# Altium PCB AN_IF_Converter_V1.0.PcbDoc (part 1 of 2)
Units mm, origin at the board's own origin, x right, y up, seen from the top; angles counter-clockwise.
Board outline 67.8 x 86.9 mm, 4 copper layers (Top Layer, Ground Plane, Power Plane, Bottom Layer), stack 1.466 mm thick; 149 components, 113 nets, 471 pads, 353 vias.
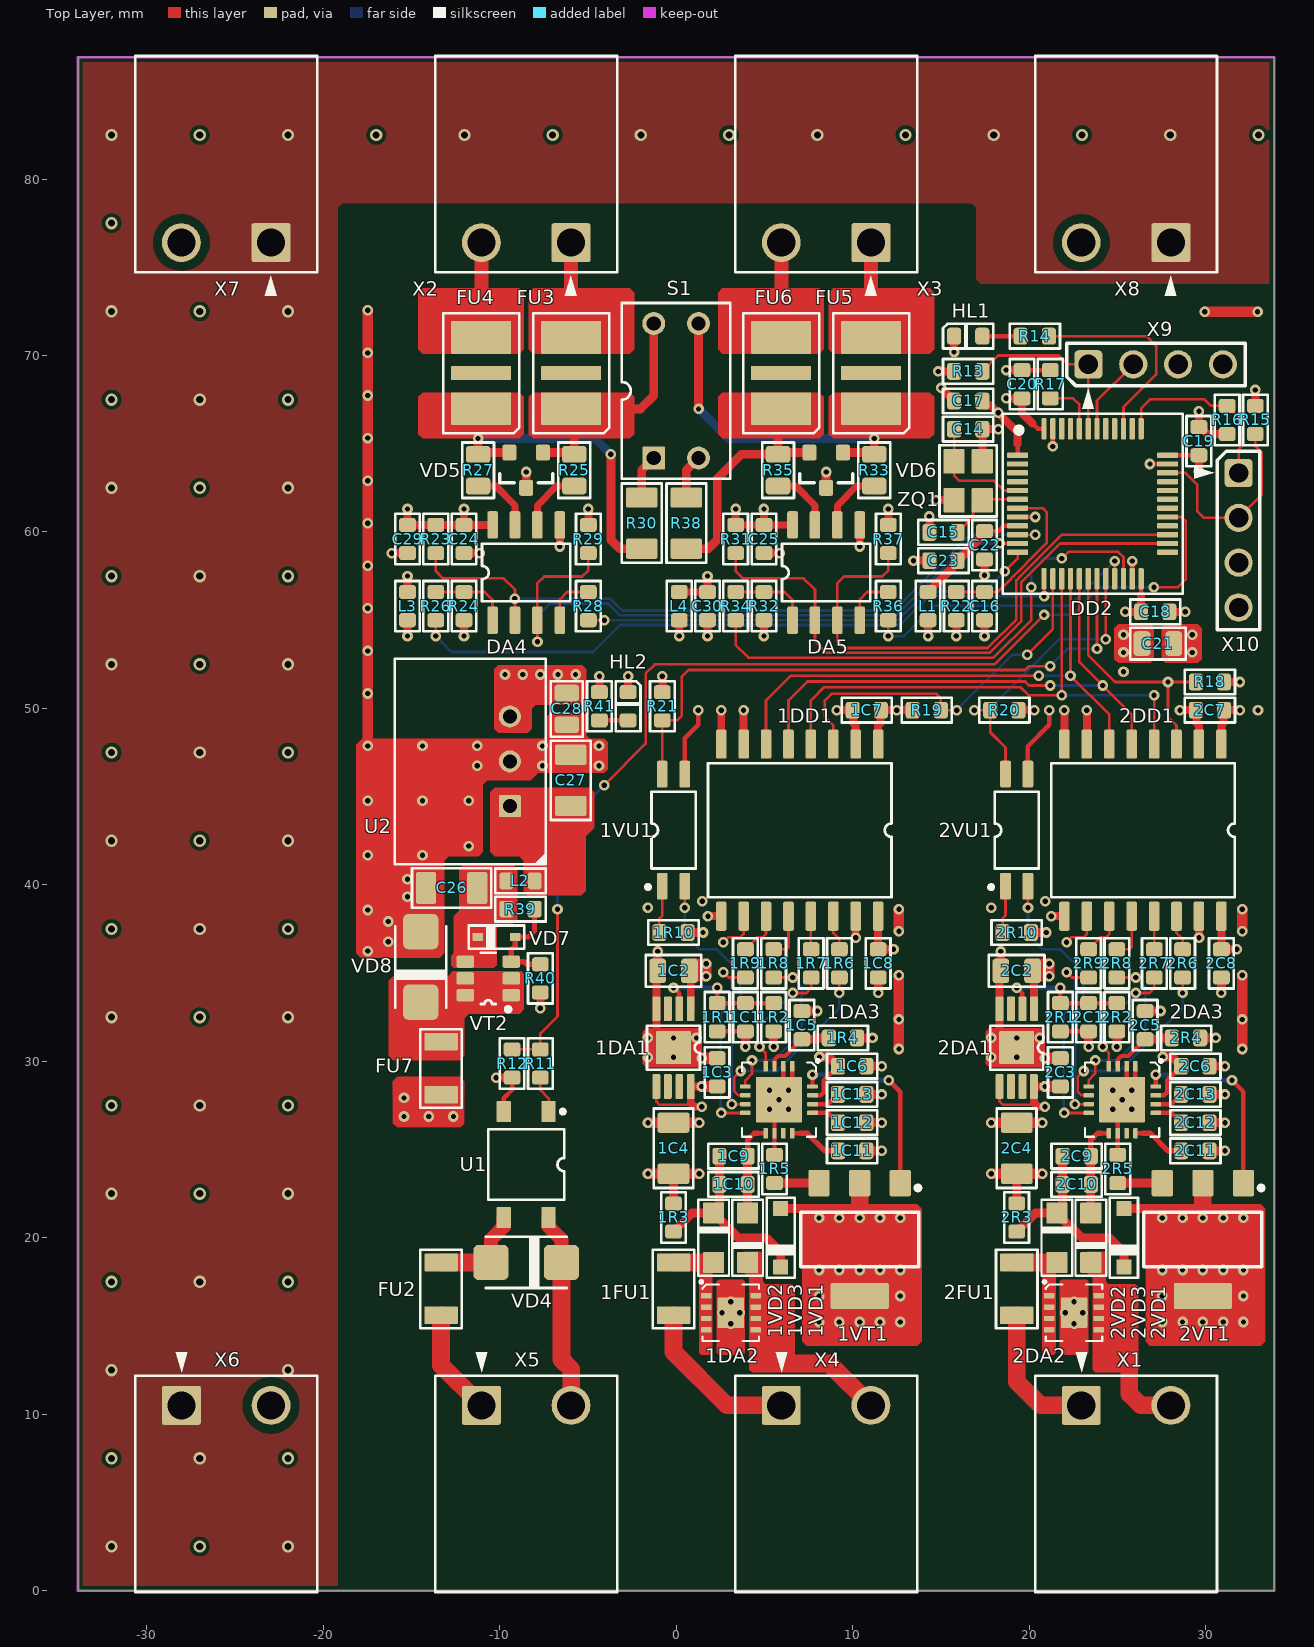
[diagram p0: Top Layer view]
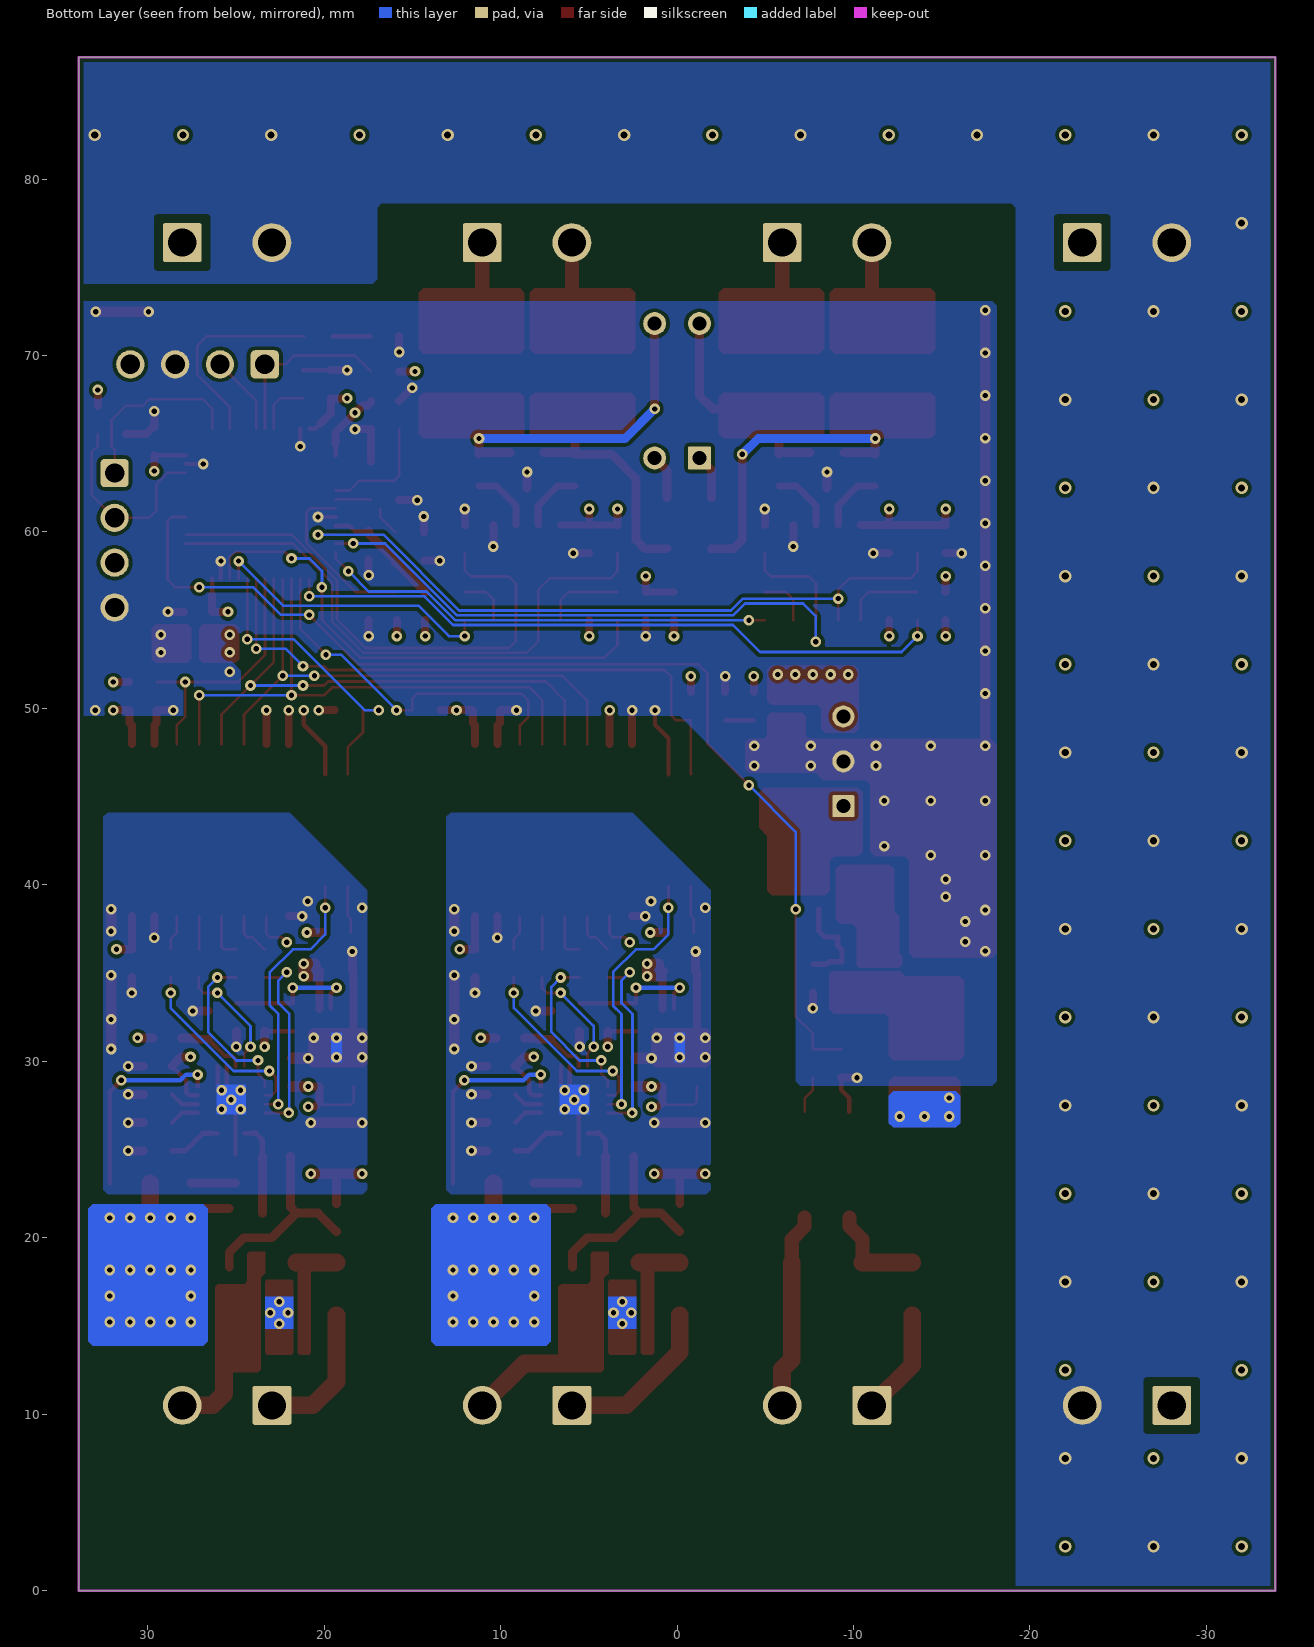
[diagram p1: Bottom Layer view, seen from below]
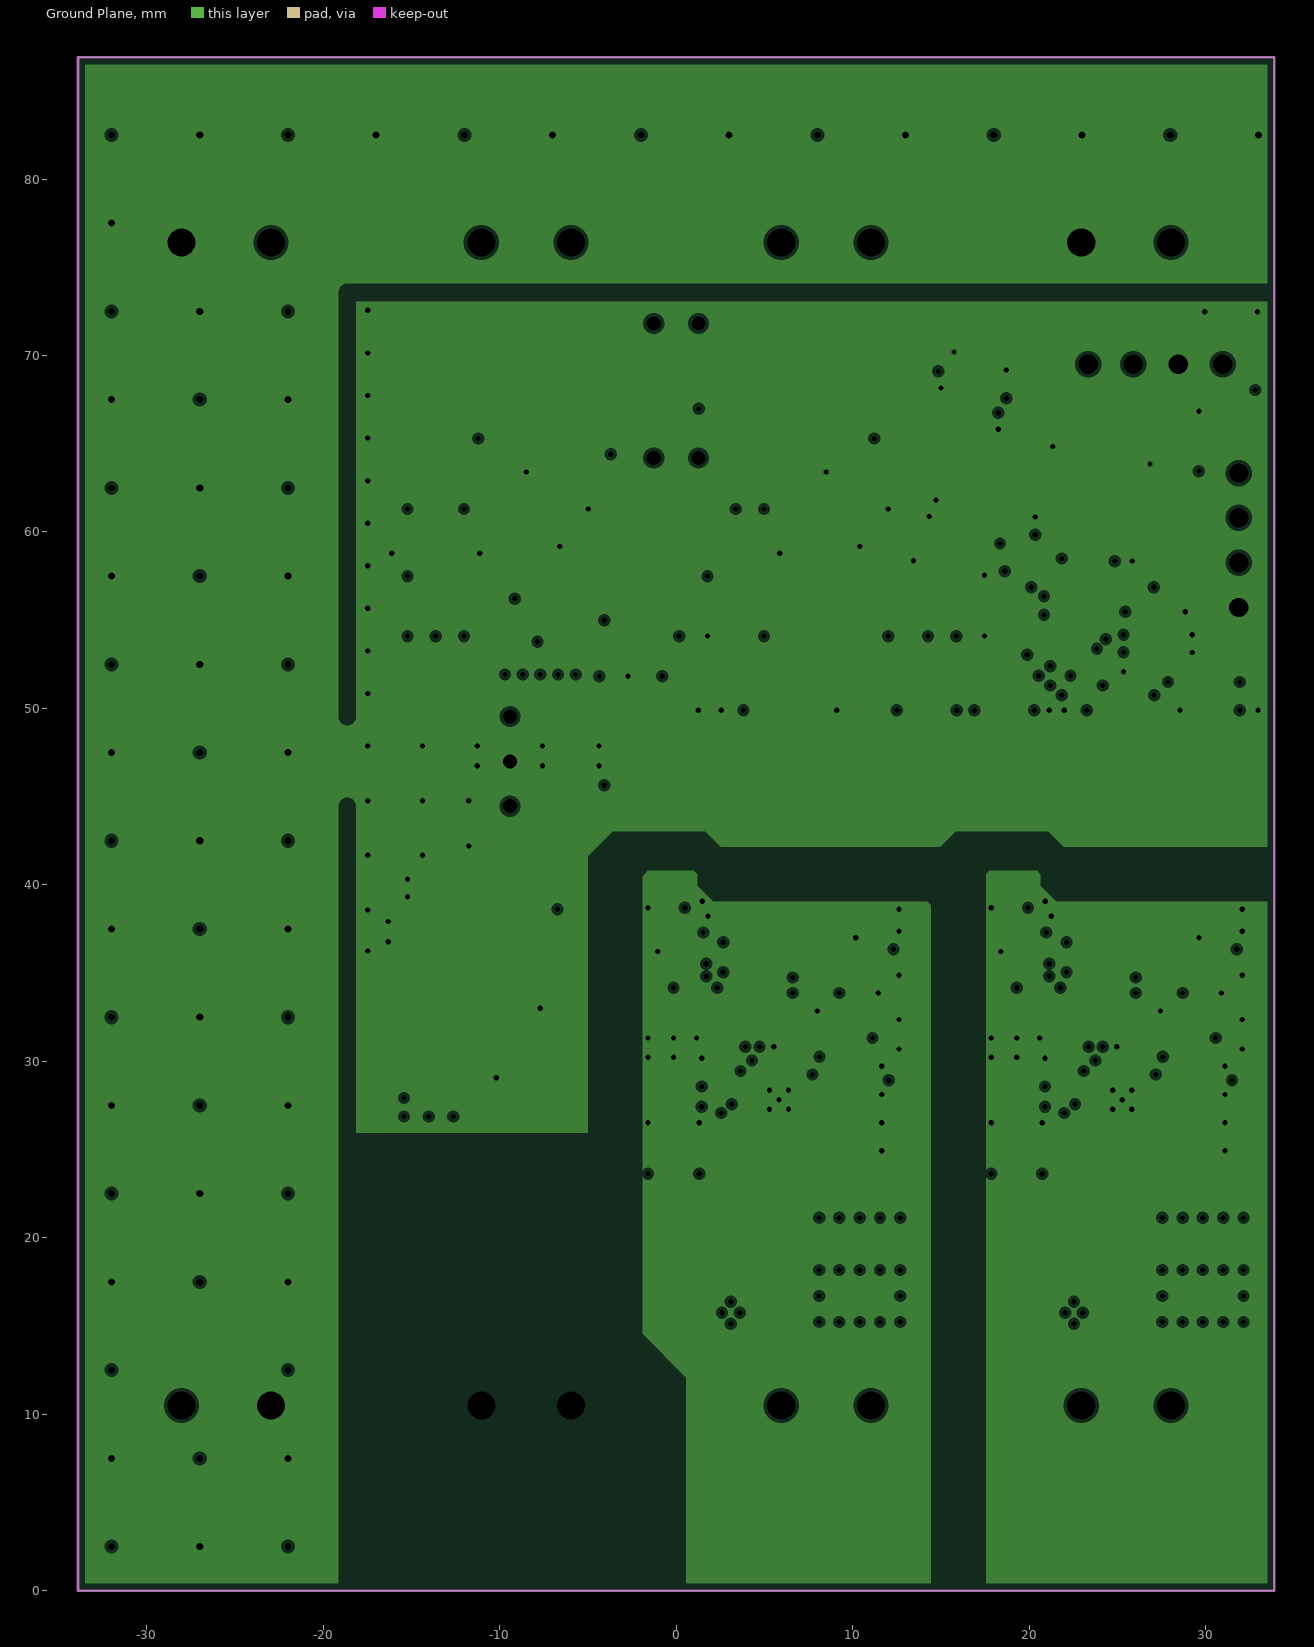
[diagram p2: Ground Plane, clearances drawn from the general rule]
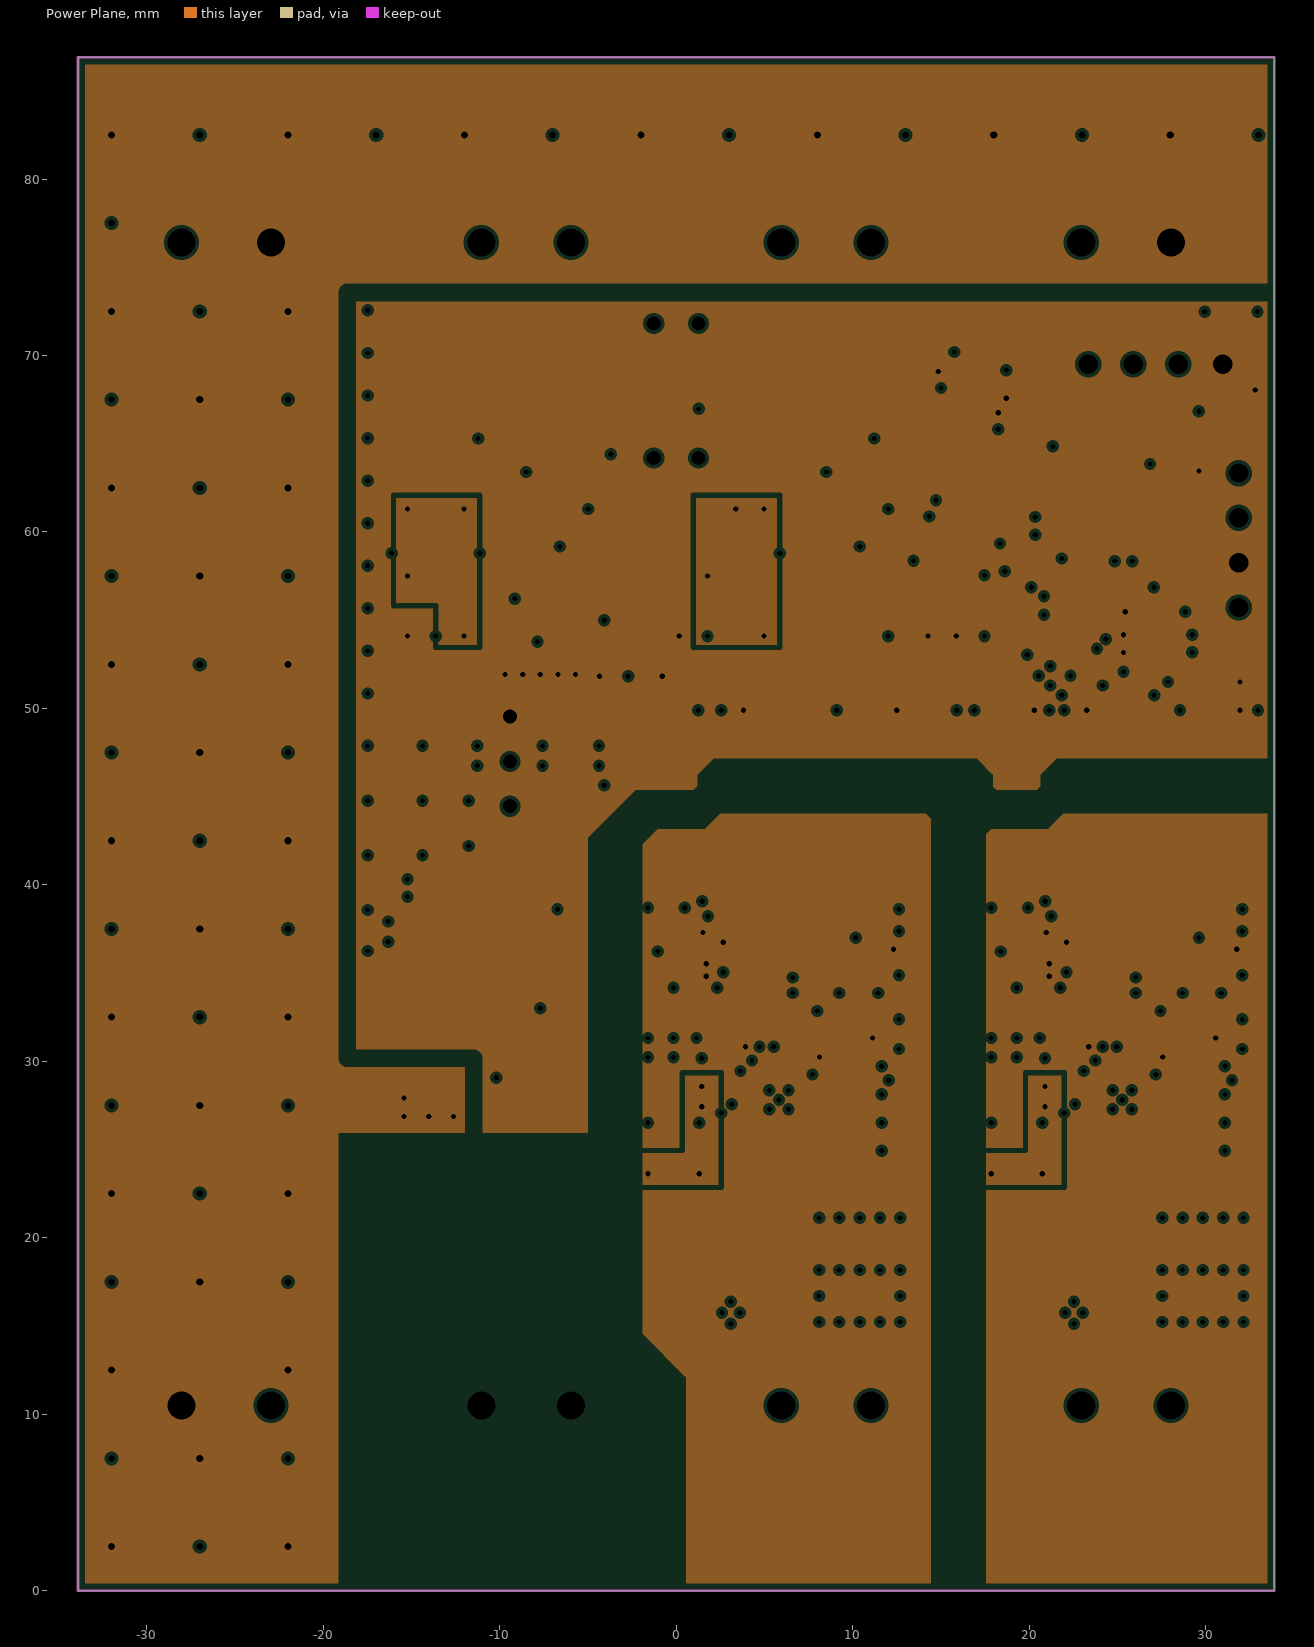
[diagram p3: Power Plane, clearances drawn from the general rule]
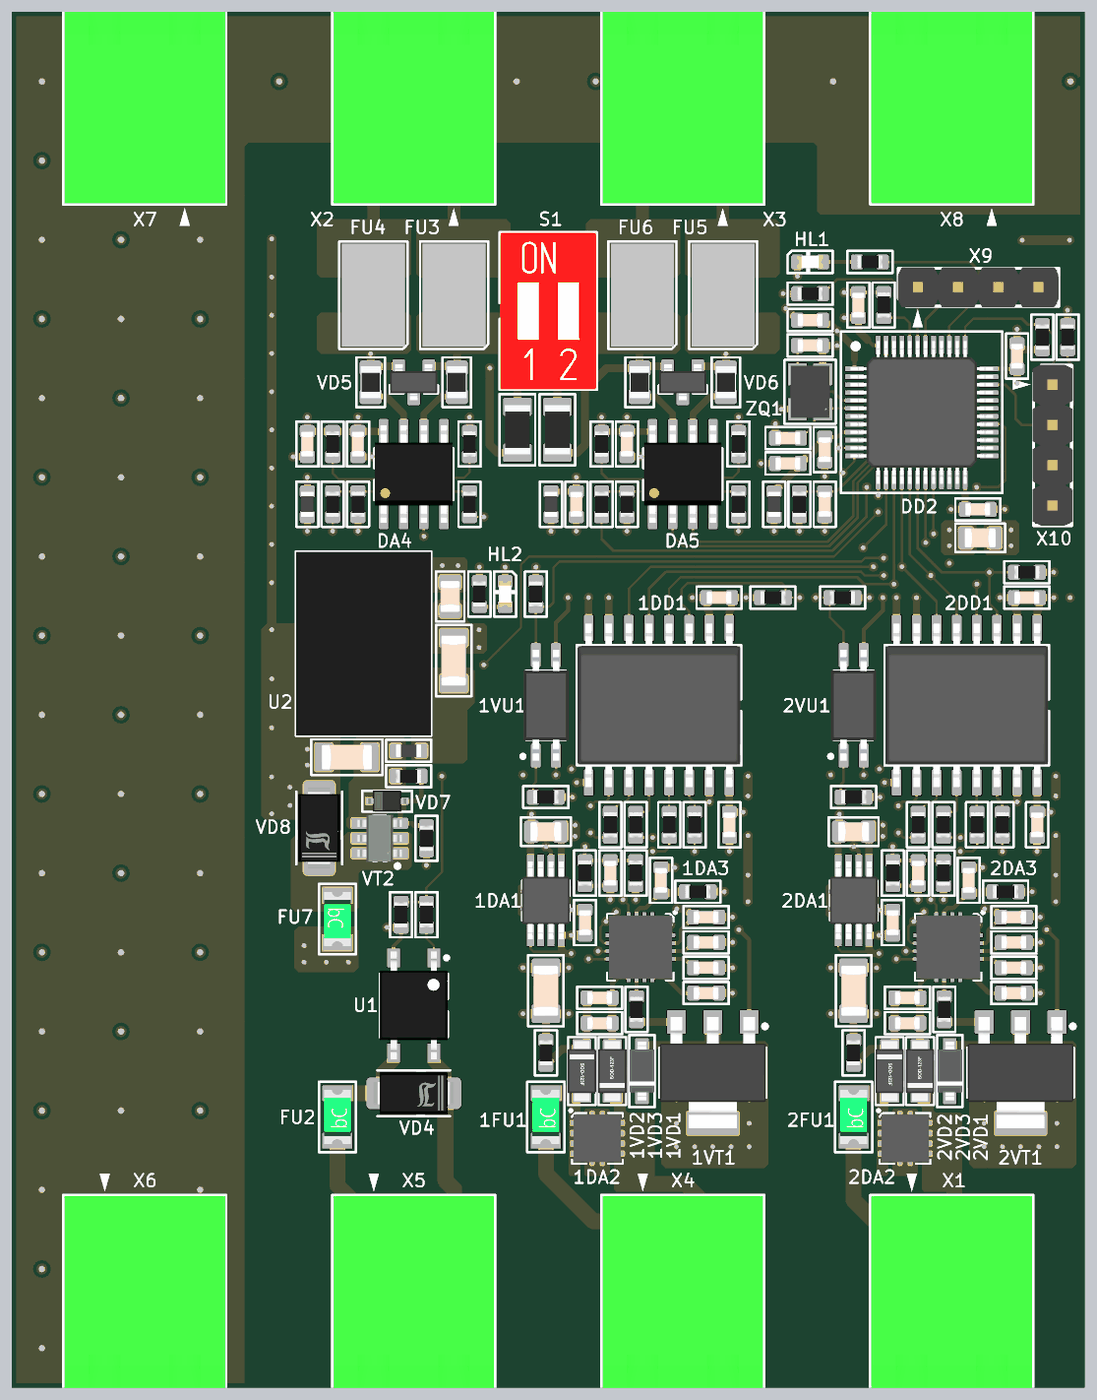
[diagram p5: 3D render of the assembled board from above, using the file's embedded part models]

## Layer stack, top to bottom
Top Solder: solder mask 0.01, Solder Resist, Dk 3.5
Top Layer: signal copper 0.018
Dielectric 1: prepreg 0.115, Dk 5.1
Ground Plane: plane copper 0.018, net (Multiple Nets)
Dielectric 3: core 1.164, Dk 4.6
Power Plane: plane copper 0.018, net (Multiple Nets)
Dielectric 2: prepreg 0.115, Dk 5.1
Bottom Layer: signal copper 0.018
Bottom Solder: solder mask 0.01, Solder Resist, Dk 3.5

## Board outline
-33.9,0 -33.9,86.9 33.9,86.9 33.9,0

## Design rules (kind name [scope] priority, off if disabled: settings)
Clearance Clearance_TMDS [InDifferentialPairClass('TMDS') vs InComponent('X15')] p1: gap=0.125 ignorepadtopadclearanceinfootprint=FALSE except(0: Arc-Hole Track-Hole SMDPad-Hole THPad-Hole Via-Hole Fill-Hole Poly-Hole Region-Hole Text-Hole)
Clearance ClearancePoly [InPolygon] p2: gap=0.2 ignorepadtopadclearanceinfootprint=FALSE except(0: Arc-Hole Track-Hole SMDPad-Hole THPad-Hole Via-Hole Fill-Hole Poly-Hole Region-Hole Text-Hole)
Clearance [All] p3: gap=0.125 ignorepadtopadclearanceinfootprint=FALSE except(0: Arc-Hole Track-Hole SMDPad-Hole THPad-Hole Via-Hole Fill-Hole Poly-Hole Region-Hole Text-Hole)
ComponentClearance [All] p1: gap=0 collisioncheckmode=3 verticalgap=0 showdistances=FALSE
DiffPairsRouting DiffPairsRouting_TMDS [InDifferentialPairClass('TMDS')] p1: maxlimit=0.19 minlimit=0.145 mostfreqgap=0.19 toplayer_minwidth=0.125 toplayer_maxwidth=0.125 toplayer_prefwidth=0.125 bottomlayer_minwidth=0.125 bottomlayer_maxwidth=0.125 bottomlayer_prefwidth=0.125 maxuncoupledlength=12.7
DiffPairsRouting DiffPairsRouting_USB [InDifferentialPairClass('USB')] p2: maxlimit=0.125 minlimit=0.125 mostfreqgap=0.125 toplayer_minwidth=0.125 toplayer_maxwidth=0.125 toplayer_prefwidth=0.125 bottomlayer_minwidth=0.125 bottomlayer_maxwidth=0.125 bottomlayer_prefwidth=0.125 maxuncoupledlength=12.7
DiffPairsRouting DiffPairsRouting_Ethernet [InDifferentialPairClass('ETH')] p3: maxlimit=0.13 minlimit=0.13 mostfreqgap=0.13 toplayer_minwidth=0.125 toplayer_maxwidth=0.125 toplayer_prefwidth=0.125 bottomlayer_minwidth=0.125 bottomlayer_maxwidth=0.125 bottomlayer_prefwidth=0.125 maxuncoupledlength=12.7
DiffPairsRouting [All] p4: maxlimit=0.254 minlimit=0.254 mostfreqgap=0.254 toplayer_minwidth=0.381 toplayer_maxwidth=0.381 toplayer_prefwidth=0.381 bottomlayer_minwidth=0.381 bottomlayer_maxwidth=0.381 bottomlayer_prefwidth=0.381 maxuncoupledlength=12.7
Height [All] p1: minheight=0 maxheight=100 prefheight=100
HoleSize [All] p1: absolutevalues=TRUE maxlimit=5 minlimit=0.3 maxpercent=80.000 minpercent=20.000
HoleToHoleClearance [All] p1: gap=0.2 allowstackedmicrovias=TRUE
MinimumAnnularRing MinimumAnnularRing_0.3 [Not IsVia] p1: minimumring=0.2
MinimumSolderMaskSliver [All] p1: minsoldermaskwidth=0
PlaneClearance [All] p1: clearance=0.2
PlaneConnect [All] p1: planeconnectstyle=Direct reliefexpansion=0.508 reliefentries=4 reliefconductorwidth=0.254 reliefairgap=0.254
PolygonConnect PolygonConnectVIA [IsVia] p1: connectstyle=Direct reliefconductorwidth=0.254 reliefentries=4 polygonreliefangle="90 Angle" airgapwidth=0.254
PolygonConnect [All] p2: connectstyle=Direct reliefconductorwidth=0.3 reliefentries=4 polygonreliefangle="90 Angle" airgapwidth=0.3
RoutingVias [IsVia] p1: holewidth=0.3 width=0.6 viastyle="Through Hole" minholewidth=0.3 minwidth=0.6 maxholewidth=2 maxwidth=1.5
SilkToSilkClearance [All] p1: silktosilkclearance=0
SilkToSolderMaskClearance [IsPad] p1: minsilkscreentomaskgap=0 clearancetoexposedcopper=TRUE
SolderMaskExpansion [All] p1: expansion=0.05 istentingtop=FALSE
Width Width_Arcs [IsArc] p1: maxlimit=0.254 minlimit=0.1 preferedwidth=0.254
Width [All] p2: maxlimit=10 minlimit=0.125 preferedwidth=0.125
20 further rules are at their usual default settings.

## Classes and differential pairs
channel class LOOP_DAC: "LOOP DAC1" "LOOP DAC2"
component class TOP: X1 X2 X3 X4 X5 X6 X7 X8
component class SERIAL_IF: C24 C25 DA4 DA5 FU3 FU4 FU5 FU6 R23 R24 R25 R26 R27 R28 R29 R30 R31 R32 R33 R34 R35 R36 R37 R38 S1 VD5 VD6
component class POWER: C26 C27 C28 C29 C30 FU7 HL2 L2 L3 L4 R39 R40 R41 U2 VD7 VD8 VT2
component class MCU: C14 C15 C16 C17 C18 C19 C20 C21 C22 C23 DD2 FU2 HL1 L1 R11 R12 R13 R14 R15 R16 R17 R18 R19 R20 R21 R22 U1 VD4 X9 X10 ZQ1
component class "LOOP DAC2": 2C2 2C5 2C6 2C7 2C8 2C9 2C10 2C11 2C12 2C13 2DA1 2DA2 2DA3 2DD1 2FU1 2R1 2R2 2R4 2R5 2R6 2R7 2R8 2R9 2R10 2VD1 2VD2 2VD3 2VT1 2VU1
component class "LOOP DAC1": 1C1 1C2 1C5 1C6 1C7 1C8 1C9 1C10 1C11 1C12 1C13 1DA1 1DA2 1DA3 1DD1 1FU1 1R1 1R2 1R4 1R5 1R6 1R7 1R8 1R9 1R10 1VD1 1VD2 1VD3 1VT1 1VU1
